# Altium PCB UNT 3-ALL.pcbdoc (part 2 of 4)
Units mm, origin at the board's own origin, x right, y up, seen from the top; angles counter-clockwise.
Board outline 81.66 x 106.01 mm, 4 copper layers (Top Layer, Mid Layer 1, Mid Layer 2, Bottom Layer), stack 0.778 mm thick; 401 components, 151 nets, 1332 pads, 708 vias.
Unrouted connection lines stored in the file: 121.
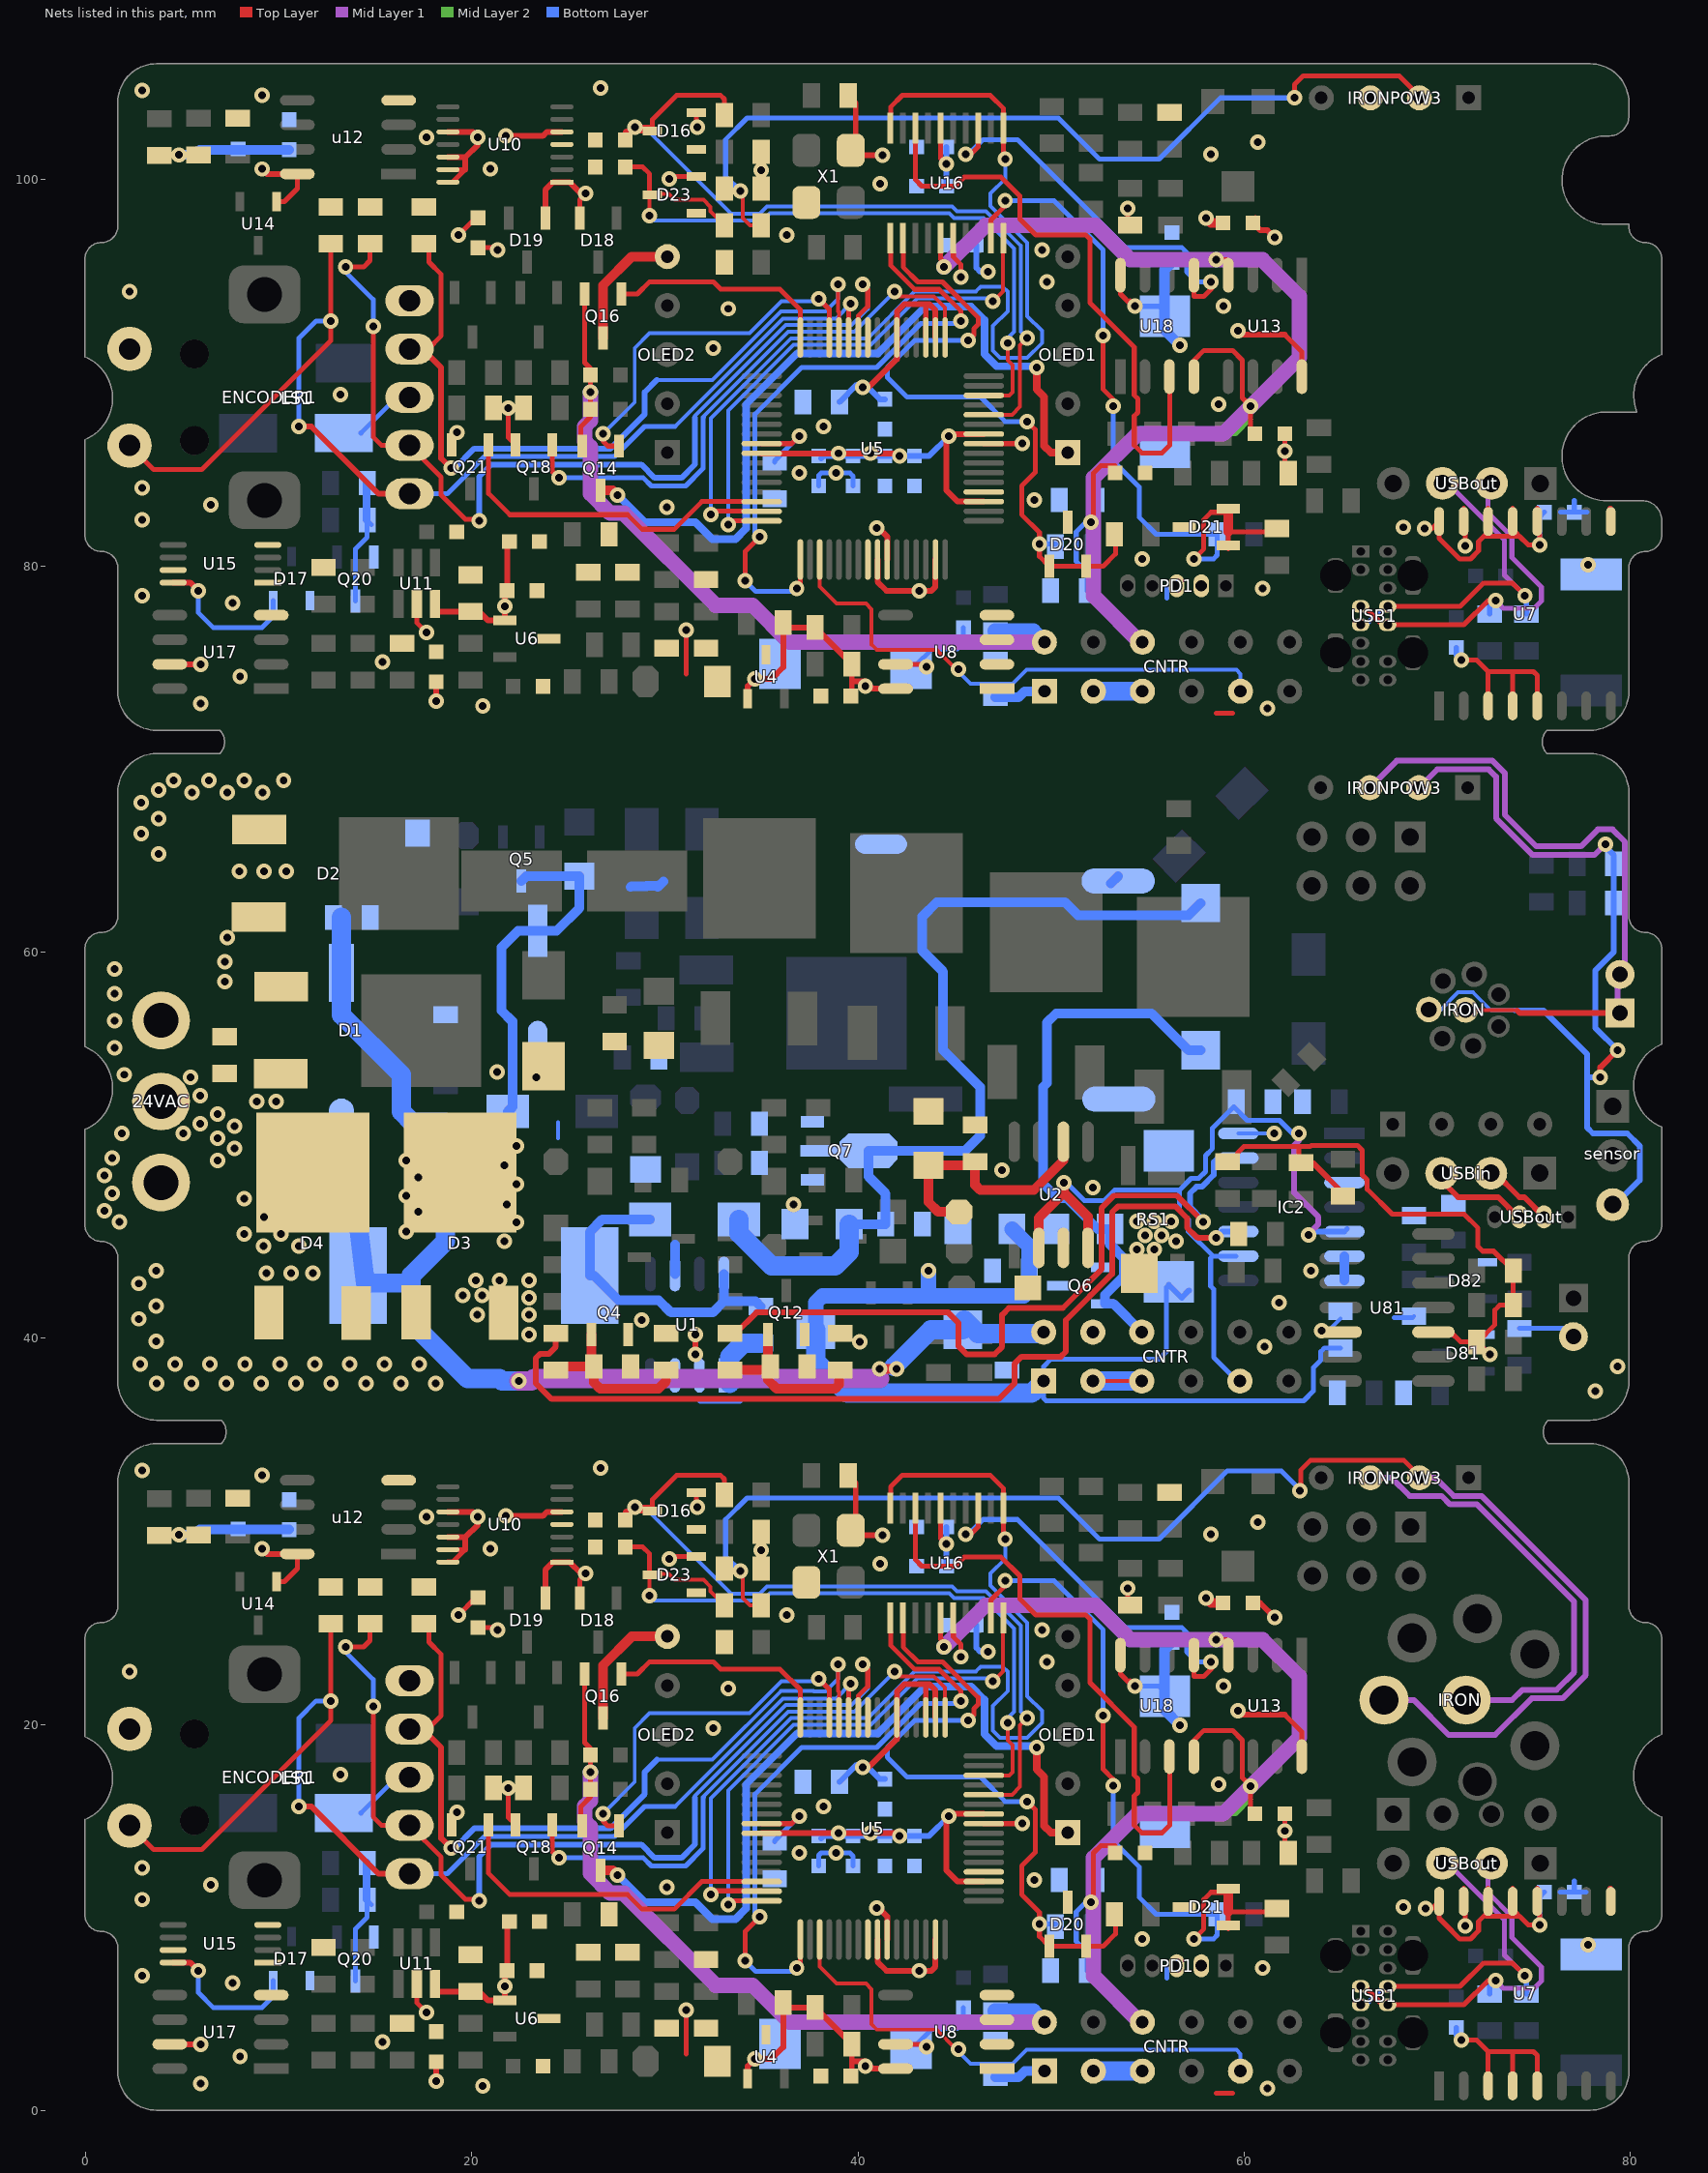
[diagram p4: the nets of this part, all layers, seen from the top]

## Via types
v1: diameter 0.8, hole 0.4, Top Layer to Bottom Layer, tented both sides, 702 vias
v2: diameter 4, hole 2.2, Top Layer to Bottom Layer, 6 vias

## Nets (pads, with @x,y where several pads share a name; then routed paths per layer and width w, separated by ;. In a path a pad name is that pad's centre, name@x,y a point inside that pad or via, vN(x,y) a via of type N, cw(c..) or ccw(c..) an arc to the next point about the centre after c; other vN are vias at no path point)
3.3v: C21.2 C23.1 C24.1 C25.1 C26.1 C27.1 C28.1 C29.1 C30.1 C31.1 C32.1 C33.1 C41.1 C46.1 C47.1 C48.2 C49.2 C50.2 C51.2 C52.2 C58.1 C79.2 C80.2 C81.2 C82.2 C83.2 C84.1 CNTR.1 D16.2 D17.2 D18.2 D19.1 D23.2 ENCODER1.2 ENCODER1.5 IC2.14 L4.2 LS1.1 PD1.2 Q18.2 Q21.2 R11.1 R12.2 R24.2 R27.1 R28.1 R30.2 R33.2 R35.2 R44.2 R71.1 U4.1 U5.10 U5.19 U5.26 U5.34 U5.35 U5.38 U5.57 U6.1 U7.12 U7.13 U7.14 U7.16 U8.8 U10.1 U10.5 U10.10 U10.12 U10.13 U10.14 U11.3 u12.8 U13.8 U14.1 U15.8 U16.16 U17.7 U18.8 X1.4 | length 369.2
  Top Layer w0.254: U14.1@9.9,27.393 10.293,27.393 10.964,28.064 u12.8@10.964,28.829 ; U14.1@9.9,98.873 10.293,98.873 10.964,99.544 u12.8@10.964,100.309 ; U10.14@18.767,28.403 19.005,28.403 19.685,29.083 ; U10.13@18.767,29.053 19.655,29.053 ; U10.14@18.767,99.883 19.005,99.883 19.685,100.563 ; U10.13@18.767,100.533 19.655,100.533 ; C28.1@20.32,25.004 21.224,25.004 v1(21.336,24.892) ; C28.1@20.32,96.484 21.224,96.484 v1(21.336,96.372) ; R35.2@21.125,16.703 v1(21.898,16.703) ; R35.2@21.125,88.183 v1(21.898,88.183) ; Q18.2@22.273,14.798 21.898,15.172 v1(21.898,16.703) ; Q18.2@22.273,86.278 21.898,86.652 v1(21.898,88.183) ; R30.2@22.672,16.703 v1(21.898,16.703) ; R30.2@22.672,88.183 v1(21.898,88.183) ; D18.2@25.593,26.543 25.593,27.498 v1(25.908,27.813) ; D18.2@25.593,98.023 25.593,98.978 v1(25.908,99.293) ; v1(30.226,28.575) 30.353,28.702 D23.2@31.623,28.702 ; v1(30.226,100.055) 30.353,100.182 D23.2@31.623,100.182 ; v1@31.623,31.303 D16.2@31.623,32.004 ; v1@31.623,102.783 D16.2@31.623,103.484 ; U16.16@44.285,31.2 44.285,29.629 v1(44.577,29.337) ; U16.16@44.285,102.68 44.285,101.109 v1(44.577,100.817) ; U18.8@53.594,23.58 53.594,22.606 54.229,21.971 v1(54.356,21.971) ; U18.8@53.594,95.06 53.594,94.086 54.229,93.451 v1(54.356,93.451) ; 62.103,20.506 62.992,19.617 U13.8@62.992,18.33 ; 62.103,91.986 62.992,91.097 U13.8@62.992,89.81 ; v1(69.35,81.93) 69.73,81.93 U7.16@70.105,82.305 70.105,81.434 70.783,80.756 70.783,80.754 71.174,80.363 71.726,80.363 72.147,80.783 72.147,81.27 72.644,81.767 U7.14@72.644,82.986 ; v1(69.4,10.45) 69.73,10.45 U7.16@70.105,10.825 70.105,9.954 70.783,9.276 70.783,9.274 71.174,8.883 71.726,8.883 72.147,9.303 72.147,9.79 72.644,10.287 U7.14@72.644,11.506 ; 72.537,10.065 74.263,10.065 74.719,9.609 v1(75.311,9.609) 75.311,10.16 75.184,10.287 U7.12@75.184,11.506 ; 72.537,81.545 74.263,81.545 74.719,81.089 v1(75.311,81.089) 75.311,81.64 75.184,81.767 U7.12@75.184,82.986 ; U7.13@73.914,11.506 73.914,10.414 74.168,10.16 ; U7.13@73.914,82.986 73.914,81.894 74.168,81.64
  Top Layer w0.3: R33.2@3.81,29.784 3.835,29.809 v1(4.826,29.809) R44.2@5.842,29.809 ; R33.2@3.81,101.264 3.835,101.289 v1(4.826,101.289) R44.2@5.842,101.289 ; U17.7@4.36,3.429 v1(5.969,3.429) ; U17.7@4.36,74.909 v1(5.969,74.909) ; U15.8@4.535,7.661 5.42,7.661 v1(5.842,7.239) ; U15.8@4.535,79.141 5.42,79.141 v1(5.842,78.719) ; v1(9.144,29.083) 9.398,28.829 u12.8@10.964,28.829 ; v1(9.144,100.563) 9.398,100.309 u12.8@10.964,100.309 ; U11.3@18.095,6.162 C79.2@19.939,6.162 20.381,6.162 20.833,5.71 U6.1@21.717,5.71 v1(21.717,6.419) 21.717,7.127 C41.1@21.829,7.239 21.829,9.652 C32.1@21.956,9.779 ; U11.3@18.095,77.642 C79.2@19.939,77.642 20.381,77.642 20.833,77.19 U6.1@21.717,77.19 v1(21.717,77.899) 21.717,78.607 C41.1@21.829,78.719 21.829,81.132 C32.1@21.956,81.259 ; v1(18.161,1.524) C27.1@18.161,2.525 ; v1(18.161,73.004) C27.1@18.161,74.005 ; U10.12@18.767,29.703 19.685,29.703 ; U10.10@18.767,31.003 20.051,31.003 v1(20.32,30.734) 20.32,30.338 19.655,29.673 19.655,29.053 ; U10.12@18.767,101.183 19.685,101.183 ; U10.10@18.767,102.483 20.051,102.483 v1(20.32,102.214) 20.32,101.818 19.655,101.153 19.655,100.533 ; v1(21.772,30.789) 23.677,30.789 23.891,31.003 U10.5@24.667,31.003 ; v1(21.772,102.269) 23.677,102.269 23.891,102.483 U10.5@24.667,102.483 ; D19.1@23.81,26.543 23.81,28.001 24.212,28.403 U10.1@24.667,28.403 25.064,28.403 25.654,27.813 v1(25.908,27.813) ; D19.1@23.81,98.023 23.81,99.481 24.212,99.883 U10.1@24.667,99.883 25.064,99.883 25.654,99.293 v1(25.908,99.293) ; v1@30.226,28.321 v1(30.226,28.575) ; v1@30.226,99.801 v1(30.226,100.055) ; v1@31.623,31.303 v1(31.684,31.242) ; v1@31.623,102.783 v1(31.684,102.722) ; U4.1@34.29,1.651 34.29,2.286 v1(34.671,2.667) 35.523,2.667 36.129,3.273 R27.1@36.129,5.588 36.383,5.334 R11.1@37.785,5.334 37.785,5.329 R28.1@39.685,3.429 39.685,2.54 ; U4.1@34.29,73.131 34.29,73.766 v1(34.671,74.147) 35.523,74.147 36.129,74.753 R27.1@36.129,77.068 36.383,76.814 R11.1@37.785,76.814 37.785,76.809 R28.1@39.685,74.909 39.685,74.02 ; R24.2@34.986,28.067 v1(34.986,29.019) R12.2@34.986,29.972 ; R24.2@34.986,99.547 v1(34.986,100.499) R12.2@34.986,101.452 ; U5.57@35.015,14.355 v1(38.989,14.355) v1(40.64,14.355) 42.033,14.355 v1(42.164,14.224) ; U5.57@35.015,85.835 v1(38.989,85.835) v1(40.64,85.835) 42.033,85.835 v1(42.164,85.704) ; R71.1@39.492,32.893 39.885,32.5 39.885,29.544 40.143,29.802 v1(41.275,29.802) ; R71.1@39.492,104.373 39.885,103.98 39.885,101.024 40.143,101.282 v1(41.275,101.282) ; C31.1@39.639,1.778 39.685,1.824 39.685,2.54 ; C31.1@39.639,73.258 39.685,73.304 39.685,74.02 ; v1(40.259,17.78) 40.553,17.78 42.005,19.232 42.017,19.232 U5.38@42.017,20.357 42.017,21.697 42.409,22.089 43.697,22.089 ; v1(40.259,89.26) 40.553,89.26 42.005,90.712 42.017,90.712 U5.38@42.017,91.837 42.017,93.177 42.409,93.569 43.697,93.569 ; v1(40.967,10.487) 41.075,10.487 41.517,10.045 U5.10@41.517,8.853 ; v1(40.967,81.967) 41.075,81.967 41.517,81.525 U5.10@41.517,80.333 ; U8.8@41.952,2.159 40.767,2.159 40.386,2.54 39.685,2.54 ; U8.8@41.952,73.639 40.767,73.639 40.386,74.02 39.685,74.02 ; U5.35@43.517,20.357 43.517,21.909 43.697,22.089 ; U5.35@43.517,91.837 43.517,93.389 43.697,93.569 ; U5.34@44.017,20.357 44.017,21.769 43.697,22.089 ; U5.34@44.017,91.837 44.017,93.249 43.697,93.569 ; U5.19@46.519,11.855 45.168,11.855 44.577,12.446 44.577,15.355 U5.26@46.519,15.355 ; U5.19@46.519,83.335 45.168,83.335 44.577,83.926 44.577,86.835 U5.26@46.519,86.835 ; v1@54.102,22.225 v1(54.356,21.971) ; v1@54.102,93.705 v1(54.356,93.451) ; v1(59.69,20.701) 59.885,20.506 62.103,20.506 ; v1(59.69,92.181) 59.885,91.986 62.103,91.986 ; C25.1@60.467,26.289 60.833,26.289 v1(61.595,25.527) ; C25.1@60.467,97.769 60.848,97.388 61.214,97.388 v1(61.595,97.007) ; C25.1@60.594,98.023 60.594,98.008 C25.1@60.65,97.952
  Top Layer w0.5: R33.2@3.744,29.784 R33.2@3.81,29.784 ; R33.2@3.744,101.264 R33.2@3.81,101.264
  Bottom Layer w0.2: IC2.14@59.702,50.603 v1(61.563,50.603)
  Bottom Layer w0.254: v1(5.842,7.239) 5.842,6.096 6.604,5.334 9.144,5.334 9.718,5.908 D17.2@9.718,6.731 ; v1(5.842,78.719) 5.842,77.576 6.604,76.814 9.144,76.814 9.718,77.388 D17.2@9.718,78.211 ; LS1.1@14.263,15.406 16.115,17.258 ENCODER1.2@16.777,17.258 ; LS1.1@14.263,86.886 16.115,88.738 ENCODER1.2@16.777,88.738 ; v1(54.356,21.971) 55.593,21.971 C23.1@55.88,21.684 ; v1(54.356,93.451) 55.593,93.451 C23.1@55.88,93.164 ; C84.1@56.102,42.762 55.975,42.635 55.975,39.3 55.594,38.919 50.006,38.919 49.625,38.538 CNTR.1@49.625,37.776 49.625,36.887 49.752,36.76 63.087,36.76 63.595,37.268 63.595,38.475 63.976,38.856 63.976,39.3 64.169,39.493 C21.2@64.992,39.493 ; v1(75.311,9.609) 75.311,11.064 C46.1@75.55,11.303 ; v1(75.311,81.089) 75.311,82.544 C46.1@75.55,82.783
  Bottom Layer w0.3: C50.2@38.1,14.091 38.233,14.224 v1(42.164,14.224) 43.688,14.224 v1(44.704,15.24) ; C50.2@38.1,85.571 38.233,85.704 v1(42.164,85.704) 43.688,85.704 v1(44.704,86.72) ; C81.2@39.05,17.018 39.939,17.907 40.066,17.78 v1(40.259,17.78) 40.513,17.78 41.133,17.16 C48.2@41.402,17.16 ; C81.2@39.05,88.498 39.939,89.387 40.066,89.26 v1(40.259,89.26) 40.513,89.26 41.133,88.64 C48.2@41.402,88.64 ; C29.1@44.592,28.194 C30.1@44.592,30.226 ; C29.1@44.592,99.674 C30.1@44.592,101.706 ; C33.1@46.137,25.132 46.137,23.967 46.355,23.749 v1(46.736,23.749) ; C33.1@46.137,96.612 46.137,95.447 46.355,95.229 v1(46.736,95.229) ; C84.1@56.102,42.762 56.77,42.094 C84.1@57.151,42.475
  Bottom Layer w0.5: v1(4.826,29.809) 5.625,29.809 5.899,30.084 C26.1@10.541,30.084 ; v1(4.826,101.289) 5.625,101.289 5.899,101.564 C26.1@10.541,101.564 ; C80.2@47.117,1.717 48.326,1.717 48.641,2.032 CNTR.1@49.657,2.032 CNTR.1@49.657,2.333 ; C80.2@47.117,73.197 48.326,73.197 48.641,73.512 CNTR.1@49.657,73.512 CNTR.1@49.657,73.813
  Bottom Layer w0.54: C24.1@56.261,24.242 55.88,23.861 55.88,21.684 55.88,20.747 v1(56.683,19.944) ; C24.1@56.261,95.722 55.88,95.341 55.88,93.164 55.88,92.227 v1(56.683,91.424)
  Bottom Layer w0.8: L4.2@37.814,40.443 37.814,41.84 38.176,42.202 43.656,42.202 ; v1(43.656,43.491) 43.656,42.202 ; C83.2@47.977,45.65 48.873,44.754 C82.2@48.873,43.491 48.873,42.485 48.59,42.202 43.656,42.202
  Bottom Layer w1: L4.2@37.814,40.443 37.814,38.792 39.455,37.151 49,37.151 CNTR.1@49.625,37.776
  other v1: 40.386,2.286 19.231,15.433 40.386,73.766 19.231,86.913
12V: C19.2 C20.2 D15.2 U2.6 | length 13.6
  Top Layer w0.5: D15.2@45.244,46.539 44.164,46.539 43.656,47.047 C19.2@43.656,48.949 45.873,48.949 C20.2@46.069,49.145 46.069,47.936 46.323,47.682 49.117,47.682 50.641,49.206 U2.6@50.641,50.051
-0.6V: C15.1 c36.1 c37.1 c38.1 c39.1 CNTR.6 L2.2 Q6.2 U13.4 U16.5 U18.4 | length 163.1
  Top Layer w0.254: U16.5@44.285,25.5 44.285,24.422 44.323,24.384 ; U16.5@44.285,96.98 44.285,95.902 44.323,95.864 ; 52.197,11.176 52.197,13.335 52.578,13.716 53.325,13.716 ; 52.197,82.656 52.197,84.815 52.578,85.196 53.325,85.196 ; U18.4@57.404,18.33 57.404,19.164 57.925,19.685 59.405,19.685 59.91,19.18 59.91,17.228 v1(60.342,16.796) 60.342,15.589 c38.1@60.564,15.367 ; U18.4@57.404,89.81 57.404,90.644 57.925,91.165 59.405,91.165 59.91,90.66 59.91,88.708 v1(60.342,88.276) 60.342,87.069 c38.1@60.564,86.847 ; v1(58.547,24.384) 59.055,24.384 59.182,24.257 U13.4@59.182,23.58 ; v1(58.547,95.864) 59.055,95.864 59.182,95.737 U13.4@59.182,95.06
  Mid Layer 1 w0.8: v1(44.45,24.003) 46.609,26.162 52.324,26.162 54.102,24.384 v1(58.547,24.384) 60.96,24.384 62.865,22.479 62.865,19.319 v1(60.342,16.796) 58.913,15.367 54.483,15.367 52.197,13.081 52.197,6.985 CNTR.6@54.737,4.445 ; v1(44.45,95.483) 46.609,97.642 52.324,97.642 54.102,95.864 v1(58.547,95.864) 60.96,95.864 62.865,93.959 62.865,90.799 v1(60.342,88.276) 58.913,86.847 54.483,86.847 52.197,84.561 52.197,78.465 CNTR.6@54.737,75.925
  Bottom Layer w0.254: c36.1@51.877,7.239 51.877,8.194 51.308,8.763 51.308,10.286 51.817,10.795 v1(52.07,10.795) 52.258,10.983 c37.1@52.258,11.938 ; c36.1@51.877,78.719 51.877,79.674 51.308,80.243 51.308,81.766 51.817,82.275 v1(52.07,82.275) 52.258,82.463 c37.1@52.258,83.418 ; CNTR.6@54.737,4.043 CNTR.6@54.737,4.953 ; CNTR.6@54.737,75.523 CNTR.6@54.737,76.433
  Bottom Layer w0.5: CNTR.6@54.705,40.316 53.242,41.779 52.8,41.779 52.8,42.243 53.777,43.22 53.777,44.138 53.057,44.858 C15.1@53.057,45.65 52.419,45.65 50.821,47.248 50.342,47.248 49.587,48.003 49.587,53.016 49.79,53.219 49.79,56.356 50.26,56.826 55.213,56.826 57.118,54.921 L2.2@57.753,54.921
A1/VDD: OLED1.1 Q14.3 | length 80.7
  Top Layer w0.4: v1(49.267,18.796) 49.267,17.662 49.648,17.281 49.648,14.741 50.001,14.388 OLED1.1@50.877,14.388 ; v1(49.267,90.276) 49.267,89.142 49.648,88.761 49.648,86.221 50.001,85.868 OLED1.1@50.877,85.868
  Top Layer w0.5: Q14.3@26.67,12.446 27.305,12.446 v1(27.559,12.192) ; Q14.3@26.67,83.926 27.305,83.926 v1(27.559,83.672)
  Bottom Layer w0.4: v1(27.559,12.192) 28.965,10.786 31.585,10.786 32.465,9.906 33.655,9.906 34.204,10.455 34.204,16.881 36.859,19.536 41.051,19.536 43.464,21.949 45.869,21.949 46.55,21.268 46.55,19.503 47.189,18.864 49.199,18.864 v1(49.267,18.796) ; v1(27.559,83.672) 28.965,82.266 31.585,82.266 32.465,81.386 33.655,81.386 34.204,81.935 34.204,88.361 36.859,91.016 41.051,91.016 43.464,93.429 45.869,93.429 46.55,92.748 46.55,90.983 47.189,90.344 49.199,90.344 v1(49.267,90.276)
A3/VCC: OLED2.5 Q16.3 | length 13.4
  Top Layer w0.5: Q16.3@26.797,20.32 26.797,23.058 28.287,24.548 OLED2.5@30.127,24.548 ; Q16.3@26.797,91.8 26.797,94.538 28.287,96.028 OLED2.5@30.127,96.028
ACH: C63.1 D20.1 D20.2 R61.1 U16.2 | length 69.4
  Top Layer w0.254: U16.2@42.343,24.765 42.343,24 43.103,23.24 44.378,23.24 46.228,21.39 46.228,21.028 46.011,20.811 46.011,20.484 v1(45.72,20.193) ; U16.2@42.343,96.245 42.343,95.48 43.103,94.72 44.378,94.72 46.228,92.87 46.228,92.508 46.011,92.291 46.011,91.964 v1(45.72,91.673) ; v1(48.768,16.002) 49.181,15.589 49.181,13.367 48.482,12.668 48.482,11.179 49.403,10.258 v1(49.403,9.652) 49.403,9.017 D20.1@49.911,8.509 D20.2@51.811,8.509 52.705,8.509 53.34,9.144 53.34,10.094 R61.1@53.406,10.16 ; v1(48.768,87.482) 49.181,87.069 49.181,84.847 48.482,84.148 48.482,82.659 49.403,81.738 v1(49.403,81.132) 49.403,80.497 D20.1@49.911,79.989 D20.2@51.811,79.989 52.705,79.989 53.34,80.624 53.34,81.574 R61.1@53.406,81.64
  Bottom Layer w0.254: v1(45.72,20.193) 42.926,20.193 41.529,18.796 41.529,18.288 42.545,17.272 46.355,17.272 47.625,16.002 v1(48.768,16.002) ; v1(45.72,91.673) 42.926,91.673 41.529,90.276 41.529,89.768 42.545,88.752 46.355,88.752 47.625,87.482 v1(48.768,87.482) ; v1(49.403,9.652) C63.1@50.231,9.652 ; v1(49.403,81.132) C63.1@50.231,81.132
B1: ENCODER1.1 R36.2 U5.42 | length 104
  Top Layer w0.254: v1(13.462,24.003) 14.399,24.003 14.732,24.336 R36.2@14.732,25.212 ; v1(13.462,95.483) 14.399,95.483 14.732,95.816 R36.2@14.732,96.692 ; v1(14.891,20.923) 14.891,15.208 15.341,14.758 ENCODER1.1@16.777,14.758 18.415,13.12 18.415,12.192 19.672,10.935 20.298,10.935 v1(20.379,10.854) ; v1(14.891,92.403) 14.891,86.688 15.341,86.238 ENCODER1.1@16.777,86.238 18.415,84.6 18.415,83.672 19.672,82.415 20.298,82.415 v1(20.379,82.334) ; U5.42@40.017,20.357 40.017,21.47 40.513,21.966 40.513,22.86 v1(40.259,23.114) ; U5.42@40.017,91.837 40.017,92.95 40.513,93.446 40.513,94.34 v1(40.259,94.594)
  Bottom Layer w0.2: 31.56,16.193 31.56,16.302 36.254,20.996 39.665,20.996 40.513,21.844 40.513,22.86 v1(40.259,23.114) ; 31.56,87.673 31.56,87.782 36.254,92.476 39.665,92.476 40.513,93.324 40.513,94.34 v1(40.259,94.594)
  Bottom Layer w0.254: v1(13.462,24.003) 13.462,23.749 14.891,22.32 v1(14.891,20.923) ; v1(13.462,95.483) 13.462,95.229 14.891,93.8 v1(14.891,92.403)
  Bottom Layer w0.3: v1(20.379,10.854) 20.379,13.14 21.01,13.771 28.784,13.771 29.474,13.081 30.861,13.081 31.56,13.78 31.56,16.193 ; v1(20.379,82.334) 20.379,84.62 21.01,85.251 28.784,85.251 29.474,84.561 30.861,84.561 31.56,85.26 31.56,87.673
B2: ENCODER1.4 ENCODER1.8 R41.2 U5.43 | length 121.6
  Top Layer w0.254: ENCODER1.4@2.277,14.758 3.528,13.507 6.014,13.507 12.7,20.193 v1(12.7,21.209) R41.2@12.7,25.212 ; ENCODER1.4@2.277,86.238 3.528,84.987 6.014,84.987 12.7,91.673 v1(12.7,92.689) R41.2@12.7,96.692 ; U5.43@39.517,20.357 39.517,21.991 v1(39.624,22.098) ; U5.43@39.517,91.837 39.517,93.471 v1(39.624,93.578)
  Top Layer w0.3: v1(11.049,15.748) 11.684,15.748 15.174,12.258 ENCODER1.8@16.777,12.258 ; v1(11.049,87.228) 11.684,87.228 15.174,83.738 ENCODER1.8@16.777,83.738
  Bottom Layer w0.2: 30.525,15.748 36.113,21.336 38.862,21.336 v1(39.624,22.098) ; 30.525,87.228 36.113,92.816 38.862,92.816 v1(39.624,93.578)
  Bottom Layer w0.254: v1(11.049,15.748) 11.049,20.32 11.938,21.209 v1(12.7,21.209) ; v1(11.049,87.228) 11.049,91.8 11.938,92.689 v1(12.7,92.689) ; ENCODER1.8@17.181,12.258 18.735,12.258 20.665,14.188 27.396,14.188 28.956,15.748 30.525,15.748 ; ENCODER1.8@17.181,83.738 18.735,83.738 20.665,85.668 27.396,85.668 28.956,87.228 30.525,87.228
B3: ENCODER1.3 R40.2 U5.44 | length 83.4
  Top Layer w0.2: v1(38.979,23.104) 38.979,21.717 39.017,21.679 U5.44@39.017,20.357 ; v1(38.979,94.584) 38.979,93.197 39.017,93.159 U5.44@39.017,91.837
  Top Layer w0.254: ENCODER1.3@16.777,19.758 17.453,19.758 17.726,19.758 18.415,20.447 18.415,23.622 17.78,24.257 17.78,24.958 R40.2@17.526,25.212 ; ENCODER1.3@16.777,91.238 17.453,91.238 17.726,91.238 18.415,91.927 18.415,95.102 17.78,95.737 17.78,96.438 R40.2@17.526,96.692
  Top Layer w0.3: ENCODER1.3@17.453,19.758 18.415,18.796 18.415,14.094 18.92,13.589 v1(18.923,13.589) ; ENCODER1.3@17.453,91.238 18.415,90.276 18.415,85.574 18.92,85.069 v1(18.923,85.069)
  Bottom Layer w0.2: 29.591,18.161 32.458,18.161 36.014,21.717 37.703,21.717 37.708,21.712 38.325,21.712 38.979,22.366 v1(38.979,23.104) ; 29.591,89.641 32.458,89.641 36.014,93.197 37.703,93.197 37.708,93.192 38.325,93.192 38.979,93.846 v1(38.979,94.584)
  Bottom Layer w0.3: v1(18.923,13.589) 19.117,13.589 20.133,14.605 27.178,14.605 28.956,16.383 28.956,17.526 29.591,18.161 ; v1(18.923,85.069) 19.117,85.069 20.133,86.085 27.178,86.085 28.956,87.863 28.956,89.006 29.591,89.641
BCH: C64.1 D21.1 D21.2 R64.1 U16.9 | length 75.9
  Top Layer w0.254: U16.9@46.885,25.5 46.885,26.438 47.625,27.178 v1(47.625,27.432) ; U16.9@46.885,96.98 46.885,97.918 47.625,98.658 v1(47.625,98.912) ; v1(52.705,20.447) 52.705,17.666 53.213,17.158 v1(53.213,16.809) ; v1(52.705,91.927) 52.705,89.146 53.213,88.638 v1(53.213,88.289) ; v1(57.404,8.89) 57.912,9.398 57.912,10.922 58.288,11.298 D21.2@59.182,11.298 ; v1(57.404,80.37) 57.912,80.878 57.912,82.402 58.288,82.778 D21.2@59.182,82.778 ; D21.1@59.182,9.398 D21.1@59.182,9.591 59.182,10.287 61.531,10.287 R64.1@61.706,10.462 ; D21.1@59.182,80.878 D21.1@59.182,81.071 59.182,81.767 61.531,81.767 R64.1@61.706,81.942
  Top Layer w0.5: 59.182,10.287 D21.2@59.182,11.298 ; 59.182,81.767 D21.2@59.182,82.778
  Bottom Layer w0.254: v1(47.625,27.432) 50.165,27.432 52.705,24.892 v1(52.705,20.447) ; v1(47.625,98.912) 50.165,98.912 52.705,96.372 v1(52.705,91.927) ; v1(53.213,16.809) 53.213,13.97 54.565,12.618 54.565,11.045 55.45,10.16 C64.1@58.613,10.16 58.613,9.083 58.42,8.89 v1(57.404,8.89) ; v1(53.213,88.289) 53.213,85.45 54.565,84.098 54.565,82.525 55.45,81.64 C64.1@58.613,81.64 58.613,80.563 58.42,80.37 v1(57.404,80.37)
CBANDA: Q21.1 U5.62 | length 36.1
  Top Layer w0.254: Q21.1@20.871,14.798 20.871,12.276 21.971,11.176 28.067,11.176 28.818,10.425 30.491,10.425 31.921,11.855 U5.62@35.015,11.855 ; Q21.1@20.871,86.278 20.871,83.756 21.971,82.656 28.067,82.656 28.818,81.905 30.491,81.905 31.921,83.335 U5.62@35.015,83.335
CBANDB: Q18.1 U5.33 | length 59.4
  Top Layer w0.2: v1(41.91,22.733) 42.164,22.479 43.942,22.479 44.517,21.904 U5.33@44.517,20.357 ; v1(41.91,94.213) 42.164,93.959 43.942,93.959 44.517,93.384 U5.33@44.517,91.837